# Altium PCB Xavier_NX_Carrier_Board_v1.1.PcbDoc (part 3 of 6)
Units mm, origin at the board's own origin, x right, y up, seen from the top; angles counter-clockwise.
Board outline 106.25 x 75.1 mm, 6 copper layers (TOP, L2_GND, L3_PWR, L4_SIG, L5_GND, BOTTOM), stack 0.881 mm thick; 282 components, 291 nets, 1670 pads, 857 vias.
Unrouted connection lines stored in the file: 3.
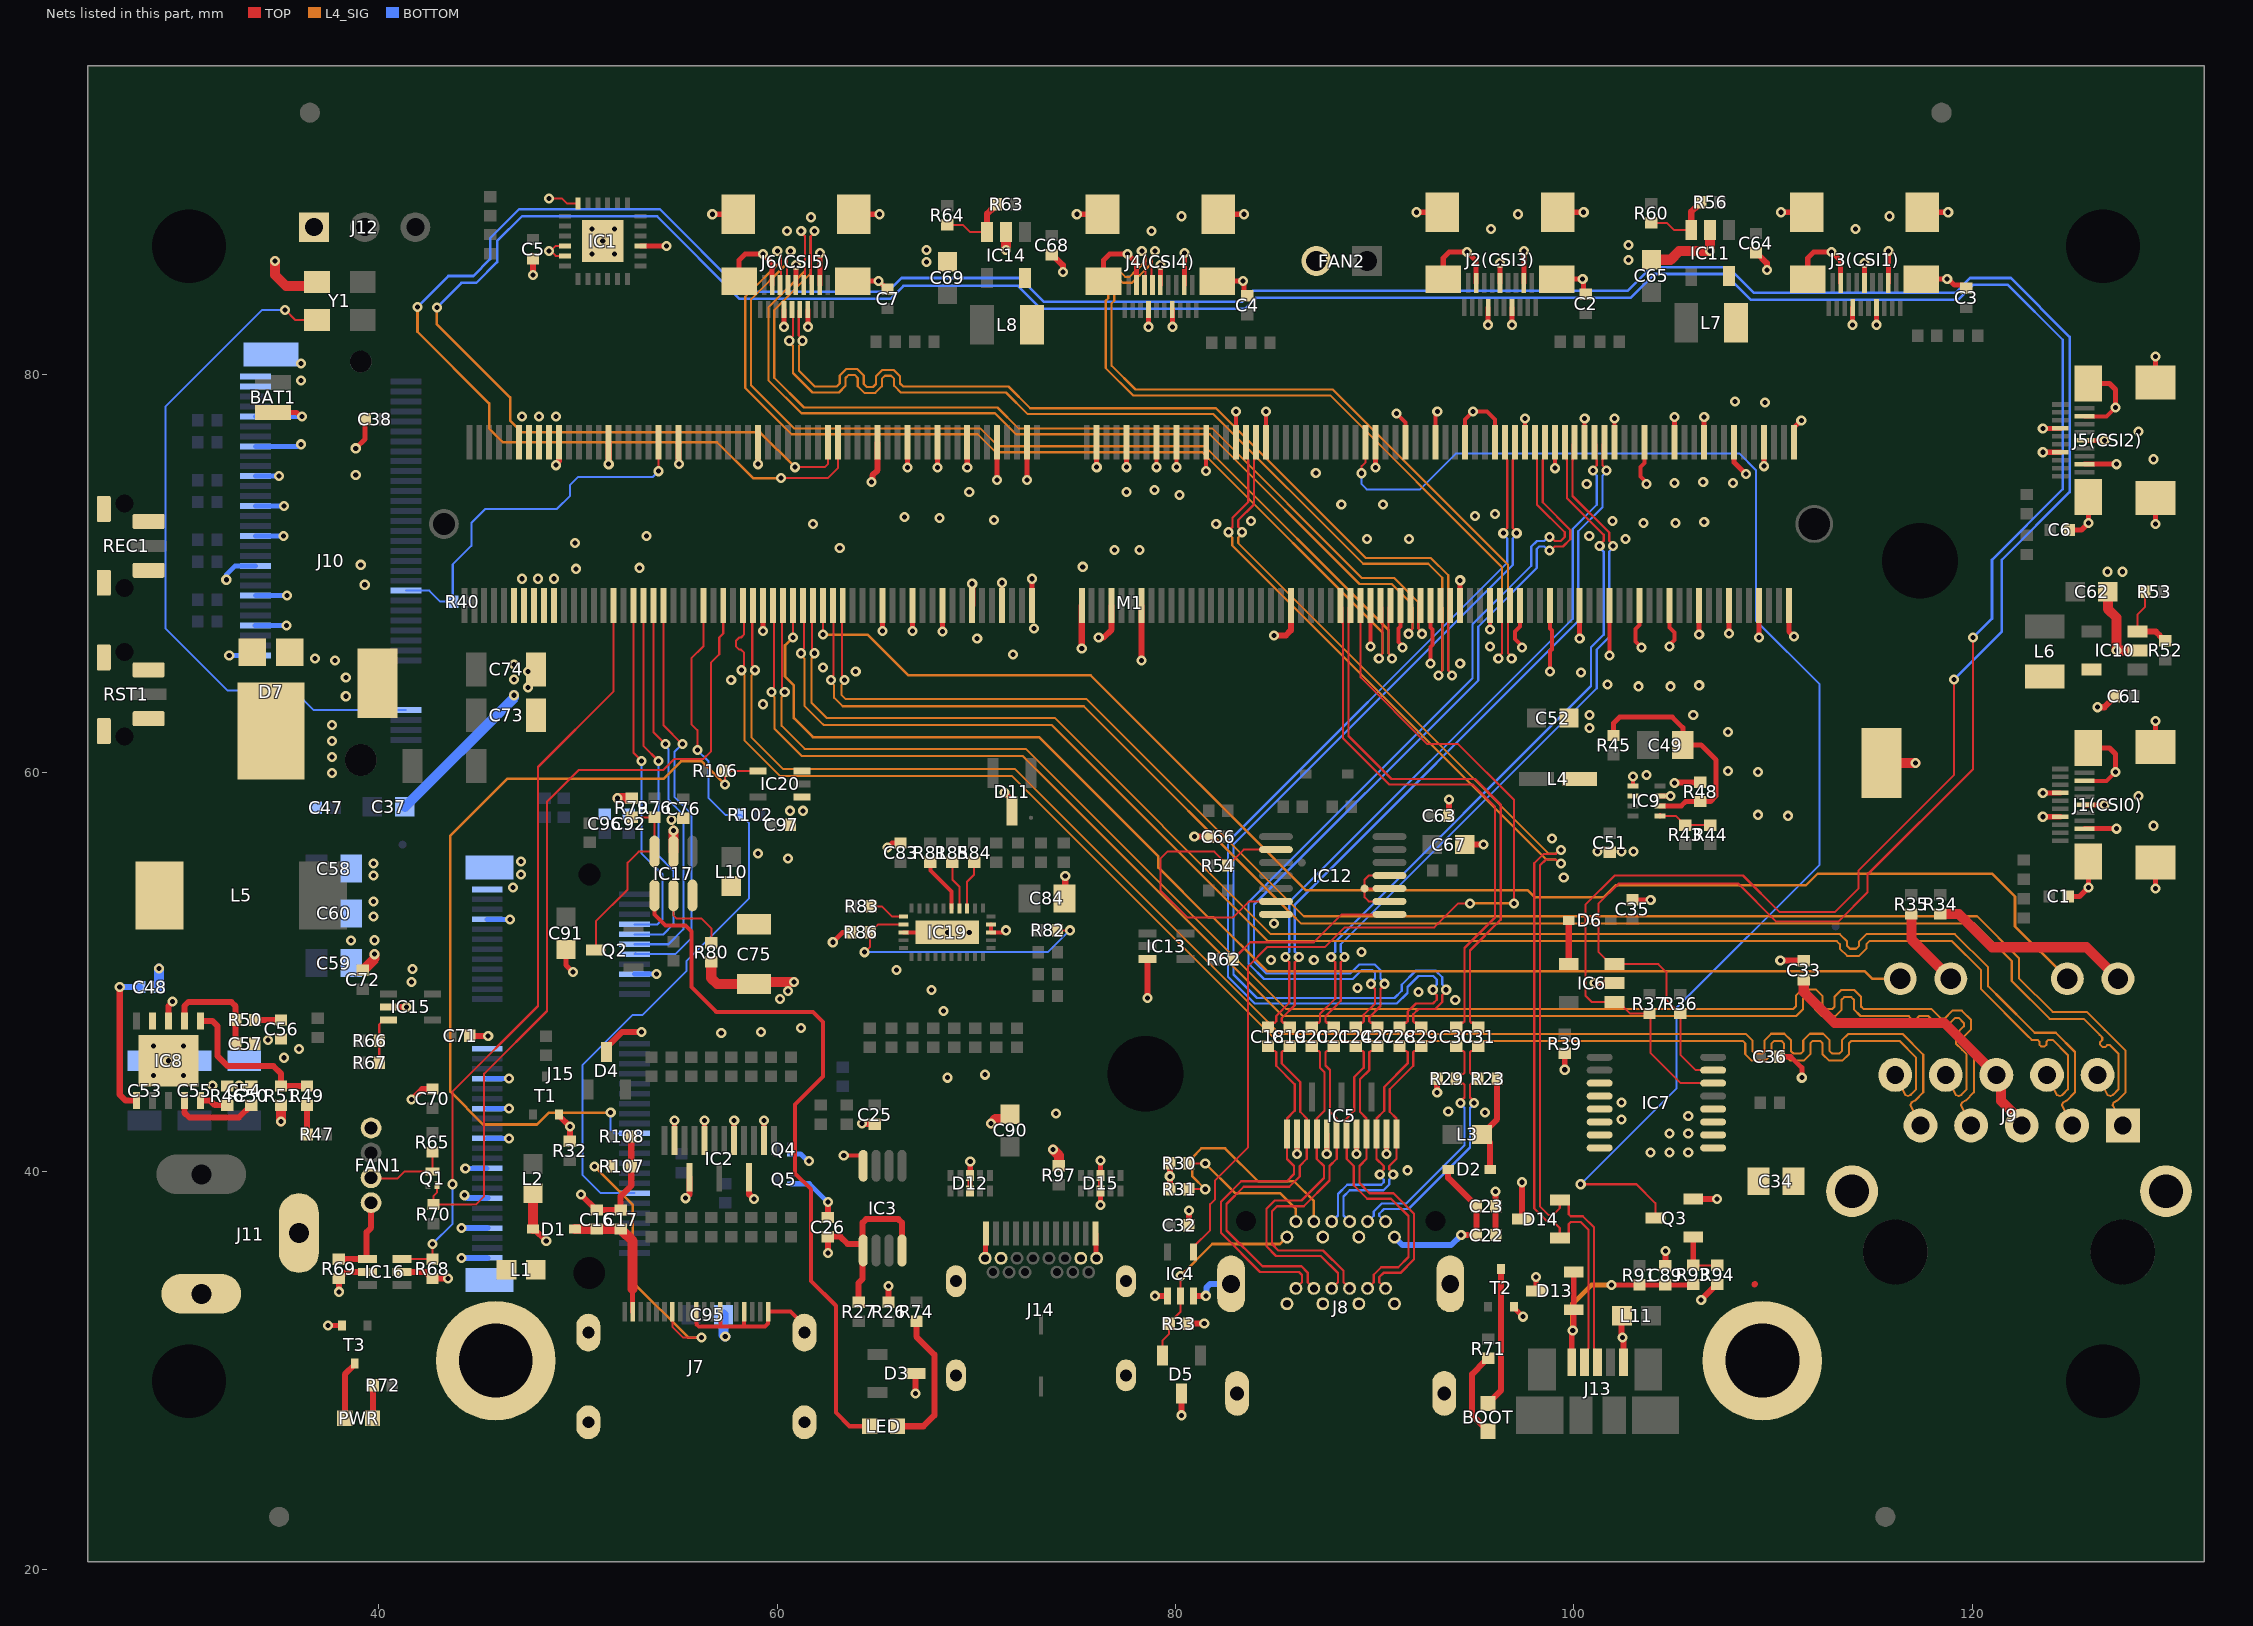
[diagram p7: the nets of this part, all layers, seen from the top]

## Via types
v1: diameter 0.508, hole 0.254, TOP to BOTTOM, 857 vias

## Nets (pads, with @x,y where several pads share a name; then routed paths per layer and width w, separated by ;. In a path a pad name is that pad's centre, name@x,y a point inside that pad or via, vN(x,y) a via of type N, cw(c..) or ccw(c..) an arc to the next point about the centre after c; other vN are vias at no path point) (continued)
CSI4_D1_N: J4(CSI4).8 M1.58 | length 41
  TOP w0.107: 78.85,84.5 78.792,84.558 78.792,85.942 78.986,86.137 v1(78.986,86.205) ; 96.691,66.013 96.885,65.819 v1(96.885,65.75) ; 96.692,66.013 96.692,67.516 96.703,67.527 96.703,68.303 M1.58@96.8,68.4
  L4_SIG w0.109: v1(78.986,86.205) 78.986,86.131 78.797,85.942 78.797,85.58 78.208,84.992 77.826,84.61 77.364,84.61 77.162,84.812 76.944,84.812 76.725,84.594 76.725,84.375 76.928,84.173 76.928,83.711 76.8,83.583 76.8,83.467 76.8,83.35 76.8,81.331 76.8,80.448 77.998,79.25 87.9,79.25 96.696,70.454 96.696,66.013 96.885,65.824 v1(96.885,65.75)
CSI4_D1_P: J4(CSI4).6 M1.60 | length 41
  TOP w0.107: v1(78.313,86.205) 78.313,86.137 78.508,85.942 78.508,84.558 78.45,84.5 ; v1(96.212,65.75) 96.212,65.819 96.406,66.013 ; M1.60@96.3,68.4 96.397,68.303 96.397,67.527 96.408,67.516 96.408,66.013
  L4_SIG w0.109: v1(78.313,86.205) 78.313,86.131 78.502,85.942 78.502,85.702 78,85.2 77.704,84.904 77.486,84.904 77.284,85.106 76.822,85.106 76.431,84.716 76.431,84.253 76.633,84.051 76.633,83.833 76.533,83.733 76.505,83.705 76.505,83.35 76.505,81.331 76.505,80.326 77.876,78.955 87.778,78.955 96.401,70.332 96.401,66.013 96.212,65.824 v1(96.212,65.75)
CSI5_CLK_N: J6(CSI5).14 M1.76 | length 51.2
  TOP w0.107: 61.75,84.5 61.692,84.558 61.692,86.95 61.887,87.144 v1(61.887,87.213) ; M1.76@92.3,68.4 92.203,68.303 92.203,67.527 92.192,67.516 92.192,67.25 92.387,67.056 v1(92.387,66.987)
  L4_SIG w0.109: v1(61.887,87.213) 61.887,87.139 61.698,86.95 61.698,85.081 59.861,83.244 59.861,79.839 61.35,78.35 71.067,78.35 72.117,77.3 81.847,77.3 89.363,69.784 90.983,69.784 92.197,68.569 92.197,67.25 92.387,67.061 v1(92.387,66.987)
CSI5_CLK_P: J6(CSI5).12 M1.78 | length 51.2
  TOP w0.107: v1(61.214,87.213) 61.214,87.144 61.408,86.95 61.408,84.558 61.35,84.5 ; v1(91.713,66.987) 91.713,67.056 91.908,67.25 91.908,67.516 91.897,67.527 91.897,68.303 M1.78@91.8,68.4
  L4_SIG w0.109: v1(61.214,87.213) 61.214,87.139 61.403,86.95 61.403,85.203 59.566,83.366 59.566,79.717 61.228,78.055 70.945,78.055 71.995,77.005 81.725,77.005 89.241,69.489 90.861,69.489 91.901,68.449 ; v1(91.713,66.987) 91.713,67.061 91.903,67.25 91.903,68.449
CSI5_D0_N: J6(CSI5).11 M1.70 | length 51.2
  TOP w0.107: 61.15,83.275 61.092,83.217 61.092,81.963 61.287,81.769 v1(61.287,81.7) ; 93.691,65.15 93.885,64.956 v1(93.885,64.887) ; 93.692,65.15 93.692,67.516 93.703,67.527 93.703,68.303 M1.70@93.8,68.4
  L4_SIG w0.109: v1(61.287,81.7) 61.287,81.626 61.097,81.437 61.097,80.203 61.9,79.4 62.85,79.4 62.991,79.4 63.145,79.554 63.145,79.953 63.472,80.28 64.025,80.28 64.352,79.953 64.352,79.53 64.506,79.376 64.815,79.376 64.969,79.53 64.969,79.911 65.296,80.238 65.849,80.238 66.175,79.911 66.175,79.554 66.33,79.4 67.562,79.4 71.619,79.4 72.708,78.311 82.039,78.311 89.555,70.795 92.824,70.795 93.697,69.922 ; 93.696,69.921 93.696,65.15 93.885,64.961 v1(93.885,64.887)
CSI5_D0_P: J6(CSI5).9 M1.72 | length 51.2
  TOP w0.107: v1(60.613,81.7) 60.613,81.769 60.808,81.963 60.808,83.217 60.75,83.275 ; v1(93.212,64.887) 93.212,64.956 93.406,65.15 ; M1.72@93.3,68.4 93.397,68.303 93.397,67.527 93.408,67.516 93.408,65.15
  L4_SIG w0.109: v1(60.613,81.7) 60.613,81.626 60.803,81.437 60.803,80.081 61.778,79.105 62.85,79.105 63.113,79.105 63.44,79.432 63.44,79.831 63.594,79.985 63.903,79.985 64.057,79.831 64.057,79.408 64.384,79.081 64.937,79.081 65.264,79.408 65.264,79.789 65.418,79.944 65.726,79.944 65.881,79.789 65.881,79.432 66.208,79.105 67.562,79.105 71.496,79.105 72.586,78.016 76.422,78.016 81.917,78.016 89.433,70.5 92.702,70.5 93.402,69.8 ; v1(93.212,64.887) 93.212,64.961 93.401,65.15 93.401,69.799
CSI5_D1_N: J6(CSI5).8 M1.82 | length 50.7
  TOP w0.107: 60.55,84.5 60.492,84.558 60.492,85.942 60.686,86.137 v1(60.686,86.205) ; 90.691,66.013 90.885,65.819 v1(90.885,65.75) ; 90.692,66.013 90.692,67.516 90.703,67.527 90.703,68.303 M1.82@90.8,68.4
  L4_SIG w0.109: v1(60.686,86.205) 60.686,86.131 60.497,85.942 60.497,85.58 58.7,83.783 58.7,79.45 60.85,77.3 70.2,77.3 71.1,76.4 81.469,76.4 90.696,67.172 90.696,66.013 90.885,65.824 v1(90.885,65.75)
CSI5_D1_P: J6(CSI5).6 M1.84 | length 50.7
  TOP w0.107: v1(60.013,86.205) 60.013,86.137 60.208,85.942 60.208,84.558 60.15,84.5 ; v1(90.212,65.75) 90.212,65.819 90.406,66.013 ; M1.84@90.3,68.4 90.397,68.303 90.397,67.527 90.408,67.516 90.408,66.013
  L4_SIG w0.109: v1(60.013,86.205) 60.013,86.131 60.202,85.942 60.202,85.702 58.405,83.905 58.405,79.328 60.728,77.005 70.078,77.005 70.978,76.105 81.346,76.105 90.401,67.05 90.401,66.013 90.212,65.824 v1(90.212,65.75)
DP_CEC: J8.6 R31.1 | length 11.1
  TOP w0.102: R31.1@80.68,39.1 v1(81.5,39.1)
  L4_SIG w0.127: v1(81.5,39.1) 80.85,39.75 80.85,40.7 81.3,41.15 82.5,41.15 84.15,39.5 85.95,39.5 86.95,38.5 J8.6@86.95,37.475
DP_HPD: IC4.4 M1.88 | length 49.2
  TOP w0.102: IC4.4@80.9,35.95 80.9,36.2 81.75,37.05 81.75,38.35 82,38.6 82,39.55 83.65,41.2 83.65,50.3 84.6,51.25 87.5,51.25 88.5,52.25 93,52.25 94.2,53.45 v1(94.8,53.45) ; M1.88@89.3,68.4 89.3,64.8 92.65,61.45 94.2,61.45 97,58.65 v1(97,53.45)
  L4_SIG w0.127: v1(94.8,53.45) v1(97,53.45)
DP_HPD_IN: D5.2 IC4.2 J8.2 R33.1 | length 10.5
  TOP w0.102: D5.2@79.35,30.75 79.35,31.5 79.69,31.84 R33.1@79.69,32.35 79.69,32.375 80.25,32.935 IC4.2@80.25,33.75 v1(80.25,34.75)
  L4_SIG w0.127: v1(80.25,34.75) 81.85,36.35 85.25,36.35 J8.2@85.6,36.7
DP_MODE: J8.4 R30.1 | length 6.9
  TOP w0.102: R30.1@80.68,40.4 v1(81.5,40.4)
  L4_SIG w0.127: v1(81.5,40.4) 83,38.9 85.25,38.9 86.05,38.1 J8.4@86.05,37.475
DP_PWR: D2.A L3.2 R23.1 | length 5
  TOP w0.305: L3.2@95.385,41.85 L3.2@95.4,41.85 ; D2.A@95.805,40.1 95.805,41.445 L3.2@95.4,41.85 ; R23.1@96.155,44.65 96.155,42.62 95.733,42.198 95.733,42.183 L3.2@95.4,41.85
EDP0_TX_N: C19.1 M1.39 | length 36.6
  TOP w0.114: C19.1@85.75,47.23 85.522,47.458 85.407,47.458 85.34,47.525 85.34,47.686 86,48.347 86,50.5 86.197,50.697 v1(86.197,50.764) ; M1.39@101.55,76.6 101.457,76.507 101.457,75.733 101.44,75.715 101.44,75.45 101.637,75.253 v1(101.637,75.186)
  BOTTOM w0.114: v1(86.197,50.764) 86.197,50.831 86,51.028 86,53.4 100.226,67.626 100.226,72.131 101.44,73.345 101.44,74.922 101.637,75.119 v1(101.637,75.186)
EDP0_TX_P: C18.1 M1.41 | length 36.6
  TOP w0.114: C18.1@84.65,47.23 84.878,47.458 84.993,47.458 85.06,47.525 85.06,47.802 85.721,48.462 85.721,50.5 85.524,50.697 v1(85.524,50.764) ; v1(100.963,75.186) 100.963,75.253 101.16,75.45 101.16,75.715 101.143,75.733 101.143,76.507 M1.41@101.05,76.6
  BOTTOM w0.114: v1(85.524,50.764) 85.524,50.831 85.721,51.028 85.721,53.516 99.947,67.742 99.947,72.247 101.16,73.46 101.16,74.922 100.963,75.119 v1(100.963,75.186)
EDP1_TX_N: C21.1 M1.45 | length 36.6
  TOP w0.114: C21.1@87.95,47.23 87.722,47.458 87.607,47.458 87.54,47.525 87.54,47.79 88.3,48.55 88.3,50.5 88.497,50.697 v1(88.497,50.764) ; M1.45@100.05,76.6 99.957,76.507 99.957,75.733 99.94,75.715 99.94,73.91 101.779,72.071 101.779,71.65 101.976,71.453 v1(101.976,71.386)
  BOTTOM w0.114: v1(88.497,50.764) 88.497,50.831 88.3,51.028 88.3,51.4 101.15,64.25 101.15,66.195 101.779,66.824 101.779,71.122 101.976,71.319 v1(101.976,71.386)
EDP1_TX_P: C20.1 M1.47 | length 36.6
  TOP w0.114: C20.1@86.85,47.23 87.078,47.458 87.193,47.458 87.26,47.525 87.26,47.905 88.021,48.666 88.021,50.5 87.824,50.697 v1(87.824,50.764) ; M1.47@99.55,76.6 99.643,76.507 99.643,75.733 99.66,75.715 99.66,73.795 101.5,71.955 101.5,71.65 101.303,71.453 v1@101.303,71.386
  BOTTOM w0.114: v1(87.824,50.764) 87.824,50.831 88.021,51.028 88.021,51.516 100.871,64.366 100.871,66.31 101.5,66.94 101.5,71.122 101.303,71.319 v1(101.303,71.386)
EDP2_TX_N: C27.1 M1.51 | length 44.5
  TOP w0.114: C27.1@90.15,47.23 89.922,47.458 89.807,47.458 89.74,47.525 89.74,47.74 90.3,48.3 90.3,49.15 90.497,49.347 v1(90.497,49.414) ; M1.51@98.55,76.6 98.457,76.507 98.457,75.733 98.44,75.715 98.44,73.585 99.829,72.195 99.829,71.734 99.466,71.371 99.05,71.371 98.853,71.174 v1(98.786,71.174)
  BOTTOM w0.114: v1(90.497,49.414) 90.497,49.481 90.3,49.678 90.3,50.095 90.016,50.379 89.234,50.379 88.784,49.929 84.571,49.929 83.952,50.548 83.952,53.39 95.2,64.638 95.2,67.345 98.148,70.292 98.148,71.248 98.271,71.371 98.522,71.371 98.719,71.174 v1(98.786,71.174)
EDP2_TX_P: C24.1 M1.53 | length 44.5
  TOP w0.114: C24.1@89.05,47.23 89.278,47.458 89.393,47.458 89.46,47.525 89.46,47.855 90.021,48.416 90.021,49.15 89.824,49.347 v1(89.824,49.414) ; M1.53@98.05,76.6 98.143,76.507 98.143,75.733 98.16,75.715 98.16,73.469 99.55,72.079 99.55,71.85 99.35,71.65 99.05,71.65 98.853,71.847 v1(98.786,71.847)
  BOTTOM w0.114: v1(89.824,49.414) 89.824,49.481 90.021,49.678 90.021,49.979 89.9,50.1 89.35,50.1 88.9,49.65 84.455,49.65 83.755,50.35 83.673,50.432 83.673,53.506 94.921,64.753 94.921,67.46 97.868,70.408 97.868,71.363 98.155,71.65 98.522,71.65 98.719,71.847 v1(98.786,71.847)
EDP3_TX_N: C29.1 M1.57 | length 48.6
  TOP w0.114: C29.1@92.35,47.23 92.122,47.458 92.007,47.458 91.94,47.525 91.94,47.89 92.2,48.15 93.05,48.15 93.4,48.5 93.4,48.85 93.597,49.047 v1(93.597,49.114) ; M1.57@97.05,76.6 96.957,76.507 96.957,75.733 96.94,75.715 96.94,72.3 97.137,72.103 v1(97.137,72.036)
  BOTTOM w0.114: v1(93.597,49.114) 93.597,49.181 93.4,49.378 93.4,49.745 93.066,50.079 92.084,50.079 91.371,49.366 91.371,49.071 91,48.7 84.1,48.7 82.916,49.884 82.916,56.416 96.94,70.44 96.94,71.772 97.137,71.969 v1(97.137,72.036)
EDP3_TX_P: C28.1 M1.59 | length 48.6
  TOP w0.114: C28.1@91.25,47.23 91.478,47.458 91.593,47.458 91.66,47.525 91.66,48.005 92.084,48.429 92.934,48.429 93.121,48.616 93.121,48.85 92.924,49.047 v1(92.924,49.114) ; v1(96.463,72.036) 96.463,72.103 96.66,72.3 96.66,75.715 96.643,75.733 96.643,76.507 M1.59@96.55,76.6
  BOTTOM w0.114: v1(92.924,49.114) 92.924,49.181 93.121,49.378 93.121,49.629 92.95,49.8 92.2,49.8 91.65,49.25 91.65,48.955 91.116,48.421 83.984,48.421 82.718,49.687 82.636,49.768 82.636,56.532 82.718,56.613 96.66,70.555 96.66,71.772 96.463,71.969 v1(96.463,72.036)
EDP_AUX_C_N: C31.2 J8.18 R23.2 | length 12.4
  TOP w0.114: v1(94.987,43.436) 94.987,43.503 94.79,43.7 94.79,44.346 94.857,44.413 94.967,44.413 95.195,44.641 R23.2@95.195,44.65 95.195,44.659 94.967,44.887 94.857,44.887 94.79,44.954 94.79,45.975 94.857,46.042 94.972,46.042 C31.2@95.2,46.27
  BOTTOM w0.114: J8.18@90.55,37.475 90.537,37.475 90.24,37.772 90.24,37.867 90.475,38.102 91.702,38.102 94.79,41.19 94.79,43.172 94.987,43.369 v1(94.987,43.436)
EDP_AUX_C_P: C30.2 J8.16 R29.1 | length 12.4
  TOP w0.114: C30.2@94.1,46.27 94.328,46.042 94.443,46.042 94.51,45.975 94.51,44.954 94.443,44.887 94.333,44.887 94.105,44.659 R29.1@94.105,44.65 94.105,44.641 94.333,44.413 94.443,44.413 94.51,44.346 94.51,43.7 94.313,43.503 v1(94.313,43.436)
  BOTTOM w0.114: J8.16@89.65,37.475 89.663,37.475 89.96,37.772 89.96,37.983 90.36,38.382 91.587,38.382 94.51,41.305 94.51,43.172 94.313,43.369 v1(94.313,43.436)
EDP_AUX_N: C31.1 M1.90 | length 27.7
  TOP w0.114: M1.90@88.8,68.4 88.707,68.307 88.707,67.533 88.69,67.515 88.69,61.86 90.85,59.7 95.05,59.7 96.329,58.421 96.329,52.629 94.79,51.09 94.79,47.525 94.857,47.458 94.972,47.458 C31.1@95.2,47.23
EDP_AUX_P: C30.1 M1.92 | length 27.7
  TOP w0.114: M1.92@88.3,68.4 88.393,68.307 88.393,67.533 88.41,67.515 88.41,61.745 90.734,59.421 94.934,59.421 96.05,58.305 96.05,52.745 94.51,51.205 94.51,47.525 94.443,47.458 94.328,47.458 C30.1@94.1,47.23
EEPROM_PWR: D6.C IC6.4 | length 2.2
  TOP w0.102: D6.C@99.745,52.6 D6.C@99.75,52.595
  TOP w0.305: IC6.4@99.75,50.4 D6.C@99.75,52.595
EGND: C34.2 J9.S SP5.1
EN_MUX: IC19.12 R82.2 R86.1 | length 14.3
  TOP w0.102: v1(64.4,51) 64.68,51.28 R86.1@64.68,52 64.68,52.025 64.914,52.259 64.939,52.259 65.08,52.4 IC19.12@66.35,52.4 ; R82.2@74.08,52.1 v1(74.7,52.1)
  BOTTOM w0.102: v1(64.4,51) 73.6,51 v1(74.7,52.1)
ENET_LED0: J9.14 M1.194 | length 67.3
  TOP w0.102: v1(60.8,66.8) M1.194@60.8,68.4
  L4_SIG w0.127: v1(60.8,66.8) 60.4,66.4 60.4,64.85 60.85,64.4 60.85,62.75 61.8,61.8 73.15,61.8 79.15,55.8 79.15,55.25 81.65,52.75 81.9,52.75 84.6,50.05 114.6,50.05 114.98,49.67 J9.14@116.394,49.67
ENET_LED1: J9.12 M1.188 | length 73
  TOP w0.102: v1(62.3,66.95) M1.188@62.3,68.4
  L4_SIG w0.127: v1(62.3,66.95) 64.55,66.95 66.6,64.9 75.75,64.9 86.55,54.1 97.7,54.1 98.05,53.75 101.5,53.75 102.1,54.35 111.65,54.35 112.25,54.95 121,54.95 122.154,53.796 122.154,52.3 J9.12@124.784,49.67
ENET_TRD0_N: J9.1 M1.184 | length 81.3
  TOP w0.104: M1.184@63.3,68.4 63.254,68.354 63.254,64.9 63.387,64.768 v1(63.387,64.659)
  L4_SIG w0.104: v1(63.387,64.659) 63.387,64.553 63.229,64.396 63.229,63.921 63.442,63.708 75.548,63.708 86.452,52.805 120.252,52.805 122.35,50.706 122.35,49.7 124.042,48.008 125.748,48.008 126.653,47.103 127.708,46.049 127.708,43.964 127.292,43.548 127.108,43.456 127.062,43.317 J9.1@127.57,42.3
ENET_TRD0_P: J9.2 M1.186 | length 81.3
  TOP w0.104: v1(62.713,64.659) 62.713,64.768 62.846,64.9 62.846,68.354 M1.186@62.8,68.4
  L4_SIG w0.104: v1(62.713,64.659) 62.713,64.553 62.871,64.396 62.871,63.773 63.294,63.35 75.4,63.35 85.855,52.895 86.303,52.447 120.103,52.447 121.992,50.558 121.992,49.552 123.894,47.65 125.6,47.65 126.4,46.85 126.533,46.717 126.533,46.59 126.427,46.484 126.427,46.357 126.553,46.23 126.68,46.23 126.787,46.337 126.913,46.337 126.95,46.3 127.35,45.9 127.35,44.112 127.08,43.843 126.948,43.777 126.809,43.823 J9.2@126.3,44.84
ENET_TRD1_N: J9.3 M1.190 | length 81.2
  TOP w0.104: M1.190@61.8,68.4 61.754,68.354 61.754,66.25 61.887,66.118 v1(61.887,66.009)
  L4_SIG w0.104: v1(61.887,66.009) 61.887,65.903 61.729,65.746 61.729,63.521 62.486,62.764 73.943,62.764 84.797,51.911 112.95,51.911 113.357,51.911 113.72,51.548 113.72,51.325 113.873,51.172 114.179,51.172 114.332,51.325 114.332,51.548 114.695,51.911 115,51.911 119.138,51.911 120.808,50.24 120.808,49.292 121.55,48.55 122.95,47.15 123.142,46.958 124.198,46.958 125.168,45.989 125.168,43.964 124.752,43.548 124.568,43.456 124.522,43.317 J9.3@125.03,42.3
ENET_TRD1_P: J9.4 M1.192 | length 81.3
  TOP w0.104: v1(61.213,66.009) 61.213,66.118 61.346,66.25 61.346,68.354 M1.192@61.3,68.4
  L4_SIG w0.104: v1(61.213,66.009) 61.213,65.903 61.371,65.746 61.371,63.373 62.202,62.542 62.337,62.406 73.795,62.406 84.648,51.552 112.95,51.552 113.209,51.552 113.362,51.399 113.362,51.176 113.724,50.814 114.327,50.814 114.69,51.176 114.69,51.399 114.843,51.552 115,51.552 118.989,51.552 120.45,50.092 120.45,49.144 122.75,46.844 122.994,46.6 123.287,46.6 123.376,46.51 123.376,46.359 123.466,46.269 123.645,46.269 123.735,46.359 123.735,46.51 123.824,46.6 123.95,46.6 124.05,46.6 124.81,45.84 124.81,44.112 124.54,43.843 124.408,43.777 124.269,43.823 J9.4@123.76,44.84
ENET_TRD2_N: J9.7 M1.196 | length 81.2
  TOP w0.104: M1.196@60.3,68.4 60.254,68.354 60.254,64.309 60.387,64.177 v1(60.387,64.067)
  L4_SIG w0.104: v1(60.387,64.067) 60.387,63.962 60.229,63.804 60.229,62.371 61.392,61.208 72.492,61.208 85.547,48.153 110.874,48.153 111.031,48.153 111.153,48.276 111.153,48.805 111.486,49.137 112.15,49.137 112.482,48.805 112.482,48.268 112.604,48.146 112.972,48.146 113.094,48.268 113.094,48.772 113.426,49.104 114.09,49.104 114.422,48.772 114.422,48.276 114.545,48.153 114.85,48.153 117.953,48.153 118.328,47.778 118.439,47.667 118.612,47.667 119.009,48.064 119.479,48.064 119.949,47.595 119.949,47.125 119.552,46.728 119.552,46.555 119.753,46.353 120.088,46.019 120.088,43.964 119.672,43.548 119.488,43.456 119.442,43.317 J9.7@119.95,42.3
ENET_TRD2_P: J9.8 M1.198 | length 81.2
  TOP w0.104: v1(59.713,64.067) 59.713,64.177 59.846,64.309 59.846,68.354 M1.198@59.8,68.4
  L4_SIG w0.104: v1(59.713,64.067) 59.713,63.962 59.871,63.804 59.871,62.223 61.244,60.85 72.344,60.85 85.398,47.795 110.874,47.795 111.179,47.795 111.512,48.127 111.512,48.656 111.634,48.779 112.001,48.779 112.124,48.656 112.124,48.12 112.456,47.788 113.12,47.788 113.452,48.12 113.452,48.623 113.575,48.746 113.942,48.746 114.064,48.623 114.064,48.127 114.397,47.795 114.85,47.795 116.4,47.795 116.81,47.795 116.9,47.706 116.9,47.573 116.989,47.484 117.168,47.484 117.258,47.573 117.258,47.706 117.347,47.795 117.549,47.795 117.805,47.795 118.075,47.525 118.291,47.309 118.761,47.309 119.158,47.706 119.331,47.706 119.591,47.446 119.591,47.273 119.194,46.876 119.194,46.406 119.5,46.1 119.73,45.87 119.73,44.112 119.46,43.843 119.328,43.777 119.189,43.823 J9.8@118.68,44.84
ENET_TRD3_N: J9.9 M1.202 | length 80.5
  TOP w0.104: M1.202@58.8,68.4 58.754,68.354 58.754,65.4 58.887,65.268 v1(58.887,65.159)
  L4_SIG w0.104: v1(58.887,65.159) 58.887,65.053 58.729,64.896 58.729,61.771 60.292,60.208 71.94,60.208 85.245,46.903 108.076,46.903 108.637,46.903 108.969,46.571 108.969,46.034 109.092,45.912 109.459,45.912 109.581,46.034 109.581,46.572 109.914,46.904 110.578,46.904 110.91,46.572 110.91,46.034 111.032,45.912 111.399,45.912 111.522,46.034 111.522,46.572 111.854,46.904 112.518,46.904 112.85,46.572 112.85,46.034 112.973,45.912 113.34,45.912 113.462,46.034 113.462,46.571 113.795,46.903 114.1,46.903 116.503,46.903 117.548,45.859 117.548,43.964 117.132,43.548 116.948,43.456 116.902,43.317 J9.9@117.41,42.3
ENET_TRD3_P: J9.10 M1.204 | length 80.5
  TOP w0.104: v1(58.213,65.159) 58.213,65.268 58.346,65.4 58.346,65.984 58.346,66.036 58.192,66.189 58.103,66.189 57.95,66.343 57.95,66.649 58.103,66.802 58.192,66.802 58.346,66.955 58.346,67.25 58.346,68.354 M1.204@58.3,68.4
  L4_SIG w0.104: v1(58.213,65.159) 58.213,65.053 58.371,64.896 58.371,61.623 60.144,59.85 71.792,59.85 85.097,46.545 108.076,46.545 108.489,46.545 108.611,46.423 108.611,45.886 108.943,45.554 109.607,45.554 109.939,45.886 109.939,46.424 110.062,46.546 110.429,46.546 110.552,46.424 110.552,45.886 110.884,45.554 111.548,45.554 111.88,45.886 111.88,46.424 112.002,46.546 112.37,46.546 112.492,46.424 112.492,45.886 112.824,45.554 113.488,45.554 113.821,45.886 113.821,46.423 113.943,46.545 114.1,46.545 116.355,46.545 117.19,45.71 117.19,44.112 116.92,43.843 116.788,43.777 116.649,43.823 J9.10@116.14,44.84
FAN_PWM: IC16.3 M1.230 R68.1 | length 38.1
  TOP w0.102: IC16.3@41.17,35.6 42.68,35.6 R68.1@42.7,35.58 v1(42.7,36.35) ; v1(43.7,39.35) 43.7,44 48,48.3 48,60.3 51.8,64.1 M1.230@51.8,68.4
  BOTTOM w0.102: v1(42.7,36.35) 43.7,37.35 v1(43.7,39.35)
FAN_TACH: M1.208 Q1.2 R70.1 | length 41.7
  TOP w0.102: Q1.2@42.925,39.3 42.925,38.925 42.75,38.75 R70.1@42.75,38.33 44.88,38.33 45.3,38.75 45.3,44.9 48.45,48.05 48.45,58.544 50.056,60.15 54.3,60.15 54.85,60.7 56.3,60.7 56.674,61.074 56.674,65.524 57.1,65.95 57.1,66.8 57.3,67 M1.208@57.3,68.35 ; M1.208@57.3,68.4 M1.208@57.35,68.35
GEN0_SCL: IC6.1 IC7.14 M1.185 R37.1 | length 180.1
  TOP w0.102: v1(60.2,74.8) 62.55,74.8 63.05,75.3 M1.185@63.05,76.6 ; IC7.14@107,44.425 105.375,44.425 103.85,45.95 103.85,47.87 R37.1@103.8,47.92 102.83,47.92 102.25,48.5 IC6.1@102.05,48.5 100.9,48.5 100.6,48.8 100.6,53.4 102.05,54.85 108.5,54.85 110.34,53.01 113.11,53.01 114.29,54.19 114.29,55.09 119.1,59.9 v1(119.1,64.7)
  L4_SIG w0.127: v1(41.95,83.4) 41.95,82.15 45.55,78.55 45.55,77.3 46.25,76.6 57,76.6 58.8,74.8 v1(60.2,74.8)
  BOTTOM w0.127: v1(41.95,83.4) 43.5,84.95 44.755,84.95 45.6,85.795 45.6,86.845 47.055,88.3 54.12,88.3 58.27,84.15 65.55,84.15 66.25,84.85 72.195,84.85 73.395,83.65 83.345,83.65 83.895,84.2 102.705,84.2 103.905,85.4 107.745,85.4 109.045,84.1 119.155,84.1 119.905,84.85 121.945,84.85 124.9,81.895 124.9,74.105 121.5,70.705 121.5,67.1 v1(119.1,64.7)
GEN0_SDA: IC6.3 IC7.15 M1.187 R36.1 | length 174.4
  TOP w0.102: v1(60.9,75.35) 62.4,75.35 62.55,75.5 M1.187@62.55,76.6 ; R36.1@105.325,48.12 R36.1@105.35,48.12 ; IC7.15@107,45.075 106.125,45.075 105.35,45.85 R36.1@105.35,47.92 104.65,48.62 104.65,50 104.25,50.4 IC6.3@102.05,50.4 101.85,50.4 101.25,51 101.25,53.45 102.25,54.45 108.25,54.45 110.15,52.55 113.3,52.55 114.75,54 114.75,54.9 120.05,60.2 v1(120.05,66.8)
  L4_SIG w0.127: v1(42.925,83.375) 42.925,82.525 46.6,78.85 46.6,77.7 47.2,77.1 59.15,77.1 v1(60.9,75.35)
  BOTTOM w0.127: v1(42.925,83.375) 44.15,84.6 44.9,84.6 45.95,85.65 45.95,86.7 47.2,87.95 53.975,87.95 58.125,83.8 65.695,83.8 66.345,84.45 72.1,84.45 73.25,83.3 83.49,83.3 84.04,83.85 102.85,83.85 104.05,85.05 107.6,85.05 108.9,83.75 119.3,83.75 120.05,84.5 121.8,84.5 124.55,81.75 124.55,74.25 121,70.7 121,67.75 v1(120.05,66.8)
GND: BAT1.- C1.1 C2.1 C3.1 C4.1 C5.1 C6.1 C7.1 C16.1 C17.1 C22.1 C23.1 C25.1 C26.1 C32.2 C33.1 C34.1 C35.1 C36.1 C37.1 C38.1 C47.1 C50.1 C51.1 C52.1 C53.1 C54.1 C55.1 C56.1 C57.1 C58.1 C59.1 C60.1 C61.1 C62.1 C63.2 C64.1 C65.1 C66.1 C67.1 C68.1 C69.1 C70.1 C71.1 C72.1 C73.1 C74.1 C75.1 C76.1 C83.2 C84.2 C89.1 C90.1 C91.1 C92.1 C95.1 C96.1 C97.2 D3.3 D4.3 D5.3 D7.A D11.3 D12.3 D12.8 D13.3 D14.3 D15.3 D15.8 FAN1.1 FAN2.2 IC1.0 IC1.9 IC1.18 IC1.22 IC1.23 IC2.2 IC2.5 IC2.8 IC2.11 IC3.4 IC4.1 IC4.3 IC5.2 IC5.5 IC5.8 IC5.11 IC6.2 IC7.3 IC7.4 IC7.5 IC7.6 IC7.7 IC7.8 IC7.9 IC7.10 IC7.11 IC7.12 IC8.8 IC8.11 IC9.3 IC9.5 IC10.2 IC11.2 IC12.7 IC13.3 IC14.2 IC15.2 IC16.2 IC16.5 IC17.2 IC19.13 IC19.28 IC19.29 IC19.31 IC20.1 IC20.3 J1(CSI0).4 J1(CSI0).7 J1(CSI0).10 J1(CSI0).13 J1(CSI0).16 J1(CSI0).20 J1(CSI0).21 J1(CSI0).22 J1(CSI0).23 J2(CSI3).4 J2(CSI3).7 J2(CSI3).10 J2(CSI3).13 J2(CSI3).16 J2(CSI3).20 J2(CSI3).21 J2(CSI3).22 J2(CSI3).23 J3(CSI1).4 J3(CSI1).7 J3(CSI1).10 J3(CSI1).13 J3(CSI1).16 J3(CSI1).20 J3(CSI1).21 J3(CSI1).22 J3(CSI1).23 J4(CSI4).4 J4(CSI4).7 J4(CSI4).10 J4(CSI4).13 J4(CSI4).16 J4(CSI4).20 J4(CSI4).21 J4(CSI4).22 J4(CSI4).23 J5(CSI2).4 J5(CSI2).7 J5(CSI2).10 J5(CSI2).13 J5(CSI2).16 J5(CSI2).20 J5(CSI2).21 J5(CSI2).22 J5(CSI2).23 J6(CSI5).4 J6(CSI5).7 J6(CSI5).10 J6(CSI5).13 J6(CSI5).16 J6(CSI5).20 J6(CSI5).21 J6(CSI5).22 J6(CSI5).23 J8.1 J8.7 J8.8 J8.13 J8.14 J8.19 J8.21 J8.22 J8.23 J8.24 J10.1 J10.3 J10.9 J10.15 J10.21 J10.27 J10.33 J10.39 J10.45 J10.51 J10.57 J10.71 J10.73 J10.75 J10.SH1 J10.SH2 J11.2 J11.3 J12.1 J13.5 J14.A1 J14.A12 J14.B1 J14.B12 J14.Shell J15.1 J15.7 J15.18 J15.33 J15.39 J15.45 J15.51 J15.57 J15.63 J15.69 J15.75 J15.76 J15.77 L1.1 L11.2 M1.1 M1.2 M1.7 M1.8 M1.13 M1.14 M1.19 M1.20 M1.25 M1.26 M1.31 M1.32 M1.37 M1.38 M1.43 M1.44 M1.49 M1.50 M1.55 M1.56 M1.61 M1.62 M1.67 M1.68 M1.73 M1.74 M1.79 M1.80 M1.85 M1.86 M1.102 M1.107 M1.113 M1.119 M1.125 M1.129 M1.132 M1.135 M1.138 M1.141 M1.144 M1.146 M1.147 M1.152 M1.153 M1.158 M1.159 M1.164 M1.165 M1.170 M1.171 M1.176 M1.177 M1.200 M1.201 M1.217 M1.231 M1.241 M1.242 M1.243 M1.244 M1.245 M1.246 M1.247 M1.248 M1.249 M1.250 M1.261 M1.262 Q3.2 Q4.2 Q5.2 R29.2 R30.2 R31.2 R32.1 R33.2 R39.1 R46.1 R48.1 R51.1 R68.2 R69.1 R79.1 R80.1 R86.2 R94.1 R97.1 R107.1 R108.1 REC1.1 REC1.3 REC1.SH1 REC1.SH2 RST1.1 RST1.3 RST1.SH1 RST1.SH2 SP1.1 SP2.1 SP3.1 SP4.1 SP6.1 SP7.1 SP8.1 T1.2 T2.2 T3.2 Y1.2 | length 326.9